# Allegro board 6089-103-RevA_73.brd (continued)
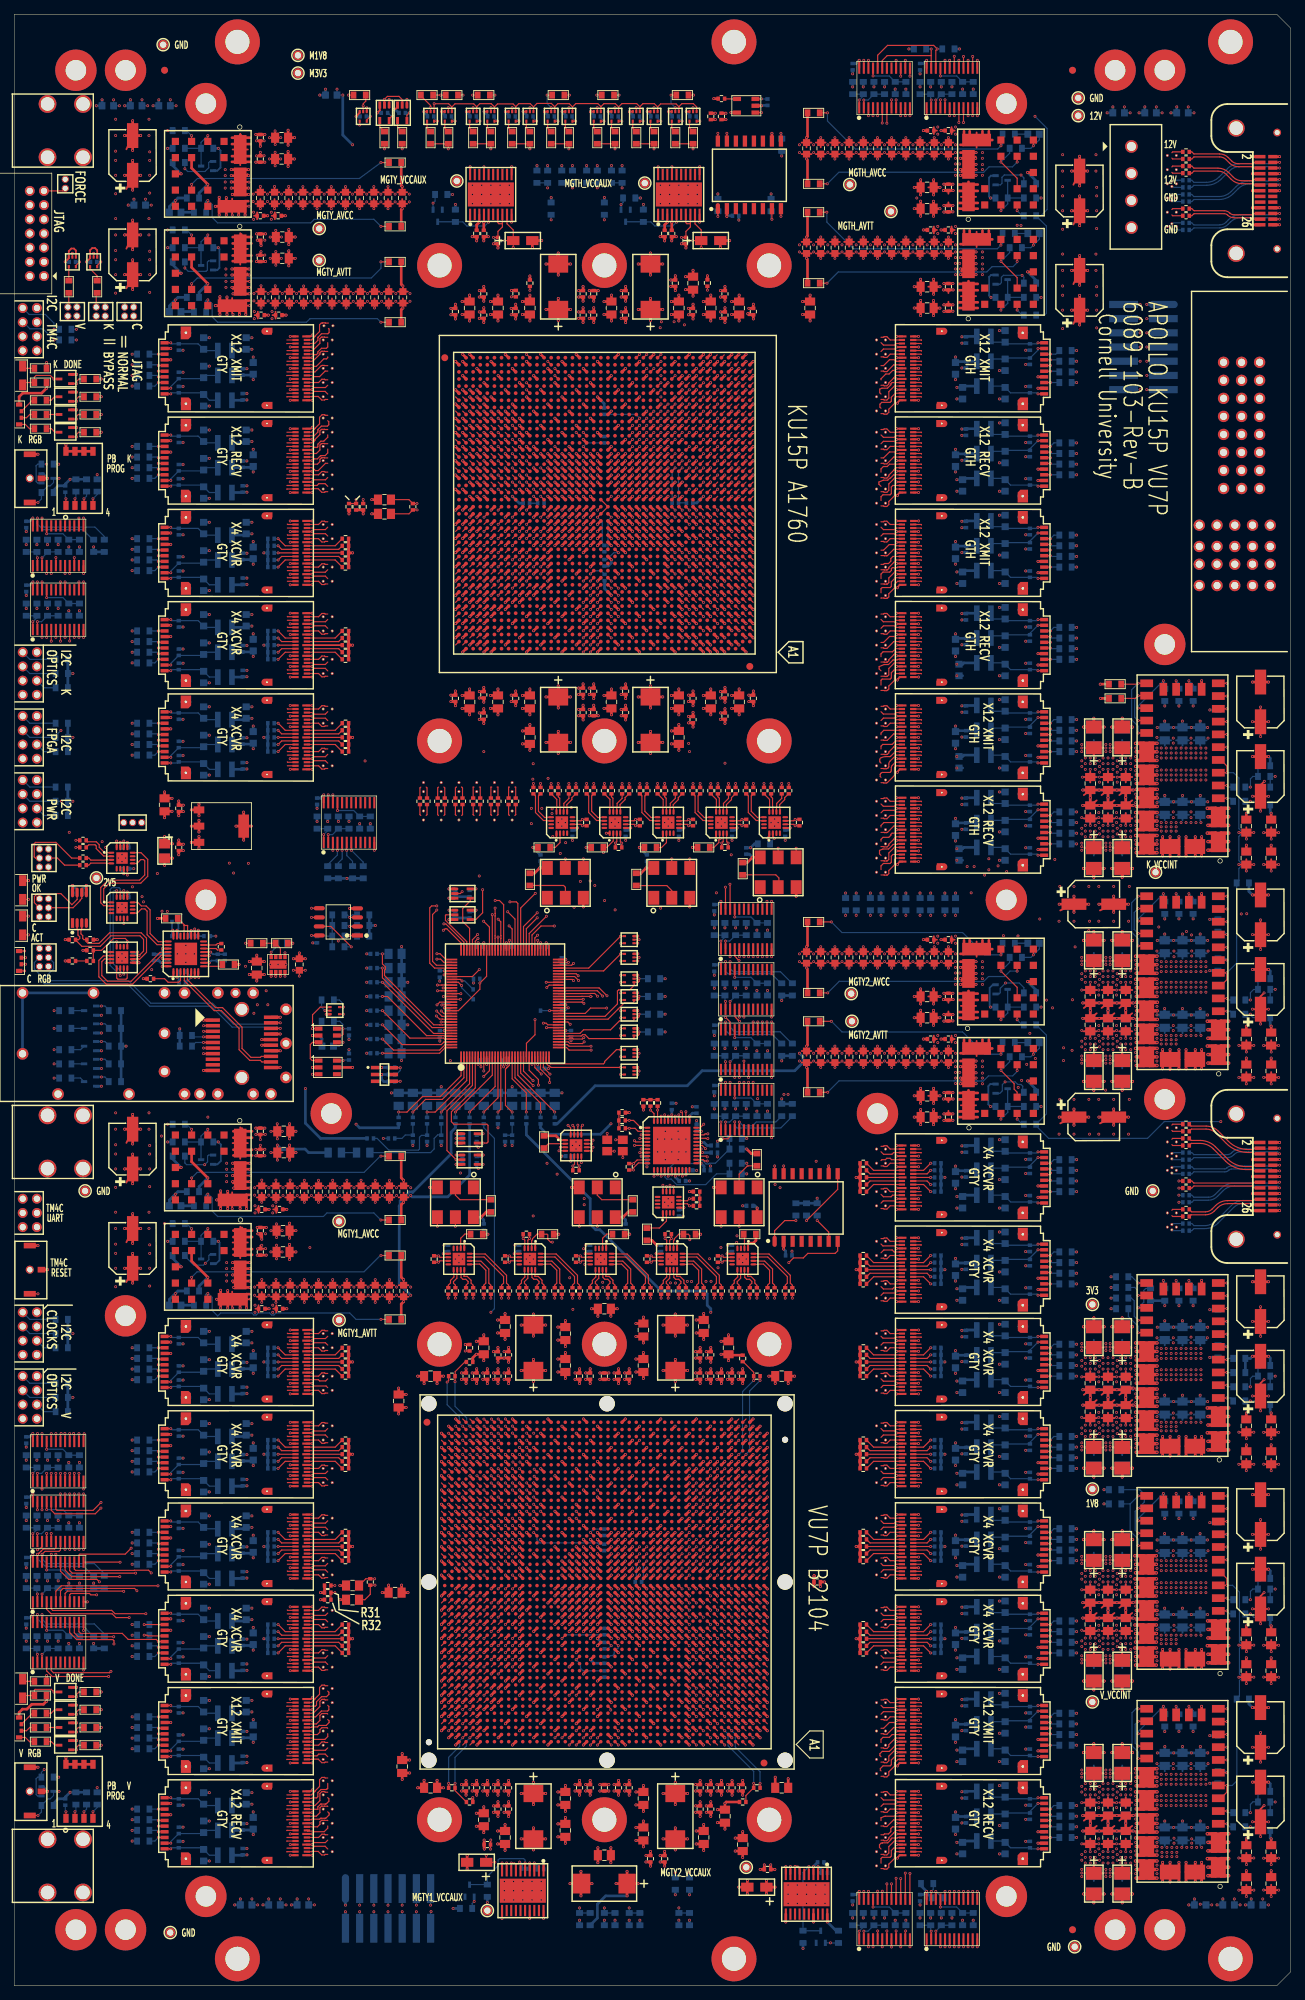
[diagram p0: board, top side]
## Routing (per net, layer and track width the routed paths; a pad name or vN(x,y) marks a point on that pad's centre or on a via; arc(x,y) is an arc through that point) (continued)
 44.84,84.28 ; VA27.3 44.84,83.52 ; VA27.3 45.25,83.71 ; VA27.3 45.16,84.22 ; VA27.3 45.25,84.09 ; VA27.3 45.22,83.9 ; VA27.3 45.16,83.58 ; VA27.3 45.02,84.31 ; P1.P2-4 175.31,206.54 ; P1.P2-4 173.83,206.54 ; P1.P2-4 173.83,205.06 ; P1.P2-4 175.31,205.06 ; P1.P2-4 175.55,205.8 ; P1.P2-4 173.59,205.8 ; P1.P2-4 174.57,204.82 ; P1.P2-4 174.57,206.78 ; VA88.3 123.25,182.71 ; VA88.3 123.22,182.9 ; VA88.3 123.02,183.31 ; VA88.3 123.25,183.09 ; VA88.3 122.83,182.52 ; VA88.3 122.83,183.28 ; VA88.3 123.16,183.22 ; VA88.3 123.16,182.58 ; 148.83,6.17 PM23.1 ; PM23.1 148.62,5.5 ; PM23.1 150.38,5.5 ; PM23.1 150.17,6.17 ; PM23.1 150.17,4.83 ; PM23.1 148.83,4.83 ; PM23.1 149.5,4.62 ; PM23.1 149.5,6.38 ; 43.56,41.52 43.56,41.9 ; 43.56,41.9 43.18,41.9 ; 43.56,41.9 43.38,41.49 ; 43.56,41.9 43.24,41.58 ; 43.56,41.9 43.24,42.22 ; 43.56,41.9 43.15,42.09 ; 43.56,41.9 43.56,42.28 ; 43.56,41.9 43.15,41.71 ; 163.84,249.9 164.25,250.09 ; 163.84,249.9 164.22,249.9 ; 163.84,249.9 163.84,250.28 ; 163.84,249.9 164.16,250.22 ; 163.84,249.9 164.02,250.31 ; 163.84,249.9 164.25,249.71 ; 163.84,249.9 164.16,249.58 ; 163.84,249.9 163.84,249.52 ; 162.38,108.49 VA147.4 ; VA147.4 162.56,108.52 ; VA147.4 162.24,108.58 ; VA147.4 162.18,108.9 ; VA147.4 162.15,109.09 ; VA147.4 162.56,109.28 ; VA147.4 162.15,108.71 ; VA147.4 162.24,109.22 ; 121.38,227.49 VA67.4 ; VA67.4 121.56,228.28 ; VA67.4 121.56,227.52 ; VA67.4 121.24,228.22 ; VA67.4 121.18,227.9 ; VA67.4 121.15,228.09 ; VA67.4 121.15,227.71 ; VA67.4 121.24,227.58 ; 162.15,258.09 VA137.4 ; VA137.4 162.56,257.52 ; VA137.4 162.24,257.58 ; VA137.4 162.56,258.28 ; VA137.4 162.38,257.49 ; VA137.4 162.15,257.71 ; VA137.4 162.18,257.9 ; VA137.4 162.24,258.22 ; 122.83,18.52 VA135.3 ; VA135.3 123.25,19.09 ; VA135.3 123.22,18.9 ; VA135.3 123.25,18.71 ; VA135.3 123.16,19.22 ; VA135.3 123.02,19.31 ; VA135.3 123.16,18.58 ; VA135.3 122.83,19.28 ; VA87.3 123.02,185.31 ; VA87.3 123.25,184.71 ; VA87.3 123.16,185.22 ; VA87.3 122.83,185.28 ; VA87.3 123.22,184.9 ; VA87.3 123.25,185.09 ; VA87.3 123.16,184.58 ; VA87.3 122.83,184.52 ; 57.51,163.85 57.7,164.26 ; 57.7,164.26 57.7,163.88 ; 57.7,164.26 57.38,163.94 ; 57.7,164.26 58.08,164.26 ; 57.7,164.26 57.32,164.26 ; 57.7,164.26 58.02,163.94 ; 57.7,164.26 57.29,164.08 ; 57.7,164.26 58.11,164.08 ; VA110.4 123.25,90.09 ; VA110.4 123.25,89.71 ; VA110.4 122.83,90.28 ; VA110.4 123.16,89.58 ; VA110.4 123.22,89.9 ; VA110.4 123.02,90.31 ; VA110.4 122.83,89.52 ; VA110.4 123.16,90.22 ; VA66.3 123.25,230.09 ; VA66.3 123.02,230.31 ; VA66.3 123.16,229.58 ; VA66.3 123.16,230.22 ; VA66.3 122.83,230.28 ; VA66.3 122.83,229.52 ; VA66.3 123.22,229.9 ; VA66.3 123.25,229.71 ; P1.16 173.77,228.01 ; P1.16 173.77,229.49 ; P1.16 173.03,227.77 ; P1.16 174.01,228.75 ; P1.16 172.29,228.01 ; P1.16 173.03,229.73 ; P1.16 172.29,229.49 ; P1.16 172.05,228.75 ; VA134.3 123.16,20.58 ; VA134.3 122.83,20.52 ; VA134.3 122.83,21.28 ; VA134.3 123.02,21.31 ; VA134.3 123.22,20.9 ; VA134.3 123.16,21.22 ; VA134.3 123.25,21.09 ; VA134.3 123.25,20.71 ; 157.5,246.67 157.5,247.74 ; 157.5,247.74 158.31,248.54 ; 157.5,247.74 158.57,247.74 ; 157.5,247.74 156.69,248.54 ; 157.5,247.74 156.69,246.93 ; 157.5,247.74 157.5,248.8 ; 157.5,247.74 156.43,247.74 ; 157.5,247.74 158.31,246.93 ; VA70.3 123.02,222.31 ; VA70.3 122.83,222.28 ; VA70.3 123.25,222.09 ; VA70.3 122.83,221.52 ; VA70.3 123.16,222.22 ; VA70.3 123.22,221.9 ; VA70.3 123.16,221.58 ; VA70.3 123.25,221.71 ; VA36.4 45.16,52.58 ; VA36.4 45.16,53.22 ; VA36.4 45.22,52.9 ; VA36.4 44.84,53.28 ; VA36.4 45.25,52.71 ; VA36.4 45.25,53.09 ; VA36.4 44.84,52.52 ; VA36.4 45.02,53.31 ; P1.11 173.77,215.31 ; P1.11 173.03,215.07 ; P1.11 173.77,216.79 ; P1.11 172.29,216.79 ; P1.11 174.01,216.05 ; P1.11 173.03,217.03 ; P1.11 172.05,216.05 ; P1.11 172.29,215.31 ; 121.56,203.52 VA78.4 ; VA78.4 121.38,203.49 ; VA78.4 121.56,204.28 ; VA78.4 121.24,203.58 ; VA78.4 121.15,203.71 ; VA78.4 121.24,204.22 ; VA78.4 121.15,204.09 ; VA78.4 121.18,203.9 ; 163.84,108.9 164.25,108.71 ; 163.84,108.9 164.16,108.58 ; 163.84,108.9 164.16,109.22 ; 163.84,108.9 163.84,109.28 ; 163.84,108.9 163.84,108.52 ; 163.84,108.9 164.25,109.09 ; 163.84,108.9 164.22,108.9 ; 163.84,108.9 164.02,109.31 ; 69.79,169.72 VA63.4 ; VA63.4 70.52,169.86 ; VA63.4 69.82,169.53 ; VA63.4 70.39,169.95 ; VA63.4 70.58,169.53 ; VA63.4 70.61,169.72 ; VA63.4 69.88,169.86 ; VA63.4 70.2,169.92 ; VA118.4 123.22,63.9 ; VA118.4 123.02,64.31 ; VA118.4 123.16,64.22 ; VA118.4 122.83,63.52 ; VA118.4 123.25,64.09 ; VA118.4 123.25,63.71 ; VA118.4 122.83,64.28 ; VA118.4 123.16,63.58 ; VA108.4 121.56,97.28 ; VA108.4 121.38,96.49 ; VA108.4 121.15,97.09 ; VA108.4 121.56,96.52 ; VA108.4 121.15,96.71 ; VA108.4 121.24,97.22 ; VA108.4 121.24,96.58 ; VA108.4 121.18,96.9 ; 43.24,65.58 43.56,65.9 ; 43.56,65.9 43.18,65.9 ; 43.56,65.9 43.56,66.28 ; 43.56,65.9 43.24,66.22 ; 43.56,65.9 43.56,65.52 ; 43.56,65.9 43.15,66.09 ; 43.56,65.9 43.38,65.49 ; 43.56,65.9 43.15,65.71 ; VA77.3 123.25,205.71 ; VA77.3 122.83,205.52 ; VA77.3 123.16,205.58 ; VA77.3 123.25,206.09 ; VA77.3 123.16,206.22 ; VA77.3 123.02,206.31 ; VA77.3 122.83,206.28 ; VA77.3 123.22,205.9 ; 122.83,190.52 VA84.3 ; VA84.3 123.25,190.71 ; VA84.3 123.16,191.22 ; VA84.3 123.25,191.09 ; VA84.3 123.22,190.9 ; VA84.3 123.02,191.31 ; VA84.3 123.16,190.58 ; VA84.3 122.83,191.28 ; 43.15,213.09 43.56,212.9 ; 43.56,212.9 43.56,213.28 ; 43.56,212.9 43.56,212.52 ; 43.56,212.9 43.24,212.58 ; 43.56,212.9 43.15,212.71 ; 43.56,212.9 43.24,213.22 ; 43.56,212.9 43.38,212.49 ; 43.56,212.9 43.18,212.9 ; 141.25,79.9 U113.G2 ; U113.G2 142.19,80.84 ; U113.G2 141.47,79.18 ; U113.G2 142.19,78.96 ; U113.G2 141.47,80.62 ; U113.G2 142.91,80.62 ; U113.G2 142.91,79.18 ; U113.G2 141.79,78.97 ; P1.P2-3 174.57,203.78 ; P1.P2-3 175.31,203.54 ; P1.P2-3 173.83,203.54 ; P1.P2-3 173.59,202.8 ; P1.P2-3 175.55,202.8 ; P1.P2-3 175.31,202.06 ; P1.P2-3 173.83,202.06 ; P1.P2-3 174.57,201.82 ; VA130.4 121.56,30.28 ; VA130.4 121.18,29.9 ; VA130.4 121.38,29.49 ; VA130.4 121.24,30.22 ; VA130.4 121.24,29.58 ; VA130.4 121.15,29.71 ; VA130.4 121.15,30.09 ; VA130.4 121.56,29.52 ; VA9.4 45.22,214.9 ; VA9.4 45.25,215.09 ; VA9.4 45.02,215.31 ; VA9.4 44.84,215.28 ; VA9.4 45.16,214.58 ; VA9.4 45.16,215.22 ; VA9.4 44.84,214.52 ; VA9.4 45.25,214.71 ; 65.2,164.26 65.58,164.26 ; 65.2,164.26 65.61,164.08 ; 65.2,164.26 64.88,163.94 ; 65.2,164.26 65.52,163.94 ; 65.2,164.26 65.01,163.85 ; 65.2,164.26 64.79,164.08 ; 65.2,164.26 65.2,163.88 ; 65.2,164.26 64.82,164.26 ; 3.32,250.9 J1.11 ; J1.11 4.87,250.23 ; J1.11 4.2,250.02 ; J1.11 4.2,251.78 ; J1.11 3.53,251.57 ; J1.11 5.08,250.9 ; J1.11 4.87,251.57 ; J1.11 3.53,250.23 ; VA67.3 123.02,228.31 ; VA67.3 123.16,228.22 ; VA67.3 123.22,227.9 ; VA67.3 123.25,228.09 ; VA67.3 122.83,228.28 ; VA67.3 123.16,227.58 ; VA67.3 123.25,227.71 ; VA67.3 122.83,227.52 ; 121.15,182.71 VA88.4 ; VA88.4 121.24,183.22 ; VA88.4 121.38,182.49 ; VA88.4 121.15,183.09 ; VA88.4 121.18,182.9 ; VA88.4 121.56,182.52 ; VA88.4 121.56,183.28 ; VA88.4 121.24,182.58 ; 121.38,221.49 VA70.4 ; VA70.4 121.15,221.71 ; VA70.4 121.24,221.58 ; VA70.4 121.56,221.52 ; VA70.4 121.18,221.9 ; VA70.4 121.56,222.28 ; VA70.4 121.24,222.22 ; VA70.4 121.15,222.09 ; 121.18,188.9 VA85.4 ; VA85.4 121.56,188.52 ; VA85.4 121.56,189.28 ; VA85.4 121.15,189.09 ; VA85.4 121.15,188.71 ; VA85.4 121.38,188.49 ; VA85.4 121.24,189.22 ; VA85.4 121.24,188.58 ; U21.G1 24.93,220.62 ; U21.G1 23.49,220.62 ; U21.G1 24.93,219.18 ; U21.G1 23.49,219.18 ; U21.G1 23.81,218.97 ; U21.G1 25.15,219.9 ; U21.G1 24.21,220.84 ; U21.G1 24.21,218.96 ; 121.24,99.22 VA107.4 ; VA107.4 121.15,98.71 ; VA107.4 121.38,98.49 ; VA107.4 121.15,99.09 ; VA107.4 121.56,98.52 ; VA107.4 121.24,98.58 ; VA107.4 121.56,99.28 ; VA107.4 121.18,98.9 ; VA79.3 123.02,202.31 ; VA79.3 122.83,201.52 ; VA79.3 123.25,201.71 ; VA79.3 123.16,202.22 ; VA79.3 122.83,202.28 ; VA79.3 123.22,201.9 ; VA79.3 123.16,201.58 ; VA79.3 123.25,202.09 ; 142.19,182.96 U107.G1 ; U107.G1 141.79,182.97 ; U107.G1 142.19,184.84 ; U107.G1 141.47,183.18 ; U107.G1 141.47,184.62 ; U107.G1 142.91,183.18 ; U107.G1 142.91,184.62 ; U107.G1 141.25,183.9 ; VA65.3 123.16,231.58 ; VA65.3 123.02,232.31 ; VA65.3 122.83,232.28 ; VA65.3 123.16,232.22 ; VA65.3 123.25,231.71 ; VA65.3 123.22,231.9 ; VA65.3 123.25,232.09 ; VA65.3 122.83,231.52 ; 43.56,205.52 43.56,205.9 ; 43.56,205.9 43.15,206.09 ; 43.56,205.9 43.38,205.49 ; 43.56,205.9 43.15,205.71 ; 43.56,205.9 43.24,205.58 ; 43.56,205.9 43.24,206.22 ; 43.56,205.9 43.18,205.9 ; 43.56,205.9 43.56,206.28 ; 44.84,41.52 VA40.4 ; VA40.4 45.22,41.9 ; VA40.4 45.02,42.31 ; VA40.4 44.84,42.28 ; VA40.4 45.16,41.58 ; VA40.4 45.25,42.09 ; VA40.4 45.25,41.71 ; VA40.4 45.16,42.22 ; VA108.3 123.16,96.58 ; VA108.3 123.25,96.71 ; VA108.3 123.22,96.9 ; VA108.3 122.83,96.52 ; VA108.3 123.02,97.31 ; VA108.3 122.83,97.28 ; VA108.3 123.16,97.22 ; VA108.3 123.25,97.09 ; 121.24,224.22 VA69.4 ; VA69.4 121.18,223.9 ; VA69.4 121.15,224.09 ; VA69.4 121.24,223.58 ; VA69.4 121.56,223.52 ; VA69.4 121.38,223.49 ; VA69.4 121.15,223.71 ; VA69.4 121.56,224.28 ; 121.24,46.58 VA123.4 ; VA123.4 121.18,46.9 ; VA123.4 121.15,47.09 ; VA123.4 121.15,46.71 ; VA123.4 121.56,47.28 ; VA123.4 121.56,46.52 ; VA123.4 121.38,46.49 ; VA123.4 121.24,47.22 ; VA68.3 123.25,225.71 ; VA68.3 122.83,226.28 ; VA68.3 123.16,226.22 ; VA68.3 123.22,225.9 ; VA68.3 123.25,226.09 ; VA68.3 123.02,226.31 ; VA68.3 123.16,225.58 ; VA68.3 122.83,225.52 ; VA60.4 65.61,165.72 ; VA60.4 65.58,165.53 ; VA60.4 65.52,165.86 ; VA60.4 64.79,165.72 ; VA60.4 64.88,165.86 ; VA60.4 64.82,165.53 ; VA60.4 65.2,165.92 ; VA60.4 65.39,165.95 ; 121.15,170.09 VA94.4 ; VA94.4 121.24,170.22 ; VA94.4 121.15,169.71 ; VA94.4 121.56,169.52 ; VA94.4 121.18,169.9 ; VA94.4 121.56,170.28 ; VA94.4 121.24,169.58 ; VA94.4 121.38,169.49 ; 121.18,39.9 VA125.4 ; VA125.4 121.24,40.22 ; VA125.4 121.24,39.58 ; VA125.4 121.56,39.52 ; VA125.4 121.15,40.09 ; VA125.4 121.15,39.71 ; VA125.4 121.56,40.28 ; VA125.4 121.38,39.49 ; 142.19,42.96 U115.G1 ; U115.G1 142.19,44.84 ; U115.G1 141.79,42.97 ; U115.G1 141.25,43.9 ; U115.G1 141.47,43.18 ; U115.G1 142.91,44.62 ; U115.G1 142.91,43.18 ; U115.G1 141.47,44.62 ; 162.56,251.52 VA140.4 ; VA140.4 162.38,251.49 ; VA140.4 162.15,251.71 ; VA140.4 162.24,251.58 ; VA140.4 162.24,252.22 ; VA140.4 162.15,252.09 ; VA140.4 162.18,251.9 ; VA140.4 162.56,252.28 ; 6.18,124.77 6.18,125.65 ; 6.18,125.65 7.06,125.65 ; 6.18,125.65 6.85,126.32 ; 6.18,125.65 5.3,125.65 ; 6.18,125.65 6.18,126.53 ; 6.18,125.65 6.85,124.98 ; 6.18,125.65 5.51,124.98 ; 6.18,125.65 5.51,126.32 ; U20.G1 25.15,232.9 ; U20.G1 24.21,233.84 ; U20.G1 24.93,232.18 ; U20.G1 23.49,233.62 ; U20.G1 24.21,231.96 ; U20.G1 24.93,233.62 ; U20.G1 23.81,231.97 ; U20.G1 23.49,232.18 ; 10,111.12 PM25.1 ; PM25.1 10.88,112 ; PM25.1 10.67,112.67 ; PM25.1 10,112.88 ; PM25.1 9.33,112.67 ; PM25.1 9.33,111.33 ; PM25.1 10.67,111.33 ; PM25.1 9.12,112 ; 172.05,226.21 P1.15 ; P1.15 173.03,227.19 ; P1.15 173.77,226.95 ; P1.15 174.01,226.21 ; P1.15 173.03,225.23 ; P1.15 172.29,225.47 ; P1.15 172.29,226.95 ; P1.15 173.77,225.47 ; U13.28 28.71,126.65 ; U13.28 29.47,124.89 ; U13.28 27.95,126.41 ; U13.28 27.71,125.65 ; U13.28 27.95,124.89 ; U13.28 29.47,126.41 ; U13.28 28.71,124.65 ; U13.28 29.71,125.65 ; 43.38,192.49 43.56,192.9 ; 43.56,192.9 43.15,192.71 ; 43.56,192.9 43.24,192.58 ; 43.56,192.9 43.18,192.9 ; 43.56,192.9 43.24,193.22 ; 43.56,192.9 43.15,193.09 ; 43.56,192.9 43.56,193.28 ; 43.56,192.9 43.56,192.52 ; 121.24,213.22 VA74.4 ; VA74.4 121.56,212.52 ; VA74.4 121.38,212.49 ; VA74.4 121.56,213.28 ; VA74.4 121.24,212.58 ; VA74.4 121.15,212.71 ; VA74.4 121.18,212.9 ; VA74.4 121.15,213.09 ; 43.56,89.52 43.56,89.9 ; 43.56,89.9 43.56,90.28 ; 43.56,89.9 43.15,89.71 ; 43.56,89.9 43.24,89.58 ; 43.56,89.9 43.18,89.9 ; 43.56,89.9 43.24,90.22 ; 43.56,89.9 43.15,90.09 ; 43.56,89.9 43.38,89.49 ; 43.56,44.9 43.56,45.28 ; 43.56,44.9 43.15,45.09 ; 43.56,44.9 43.38,44.49 ; 43.56,44.9 43.56,44.52 ; 43.56,44.9 43.18,44.9 ; 43.56,44.9 43.15,44.71 ; 43.56,44.9 43.24,45.22 ; 43.56,44.9 43.24,44.58 ; 122.83,24.52 VA132.3 ; VA132.3 122.83,25.28 ; VA132.3 123.16,24.58 ; VA132.3 123.25,24.71 ; VA132.3 123.22,24.9 ; VA132.3 123.16,25.22 ; VA132.3 123.02,25.31 ; VA132.3 123.25,25.09 ; 121.24,217.22 VA72.4 ; VA72.4 121.15,217.09 ; VA72.4 121.24,216.58 ; VA72.4 121.56,216.52 ; VA72.4 121.56,217.28 ; VA72.4 121.38,216.49 ; VA72.4 121.18,216.9 ; VA72.4 121.15,216.71 ; 121.24,38.22 VA126.4 ; VA126.4 121.24,37.58 ; VA126.4 121.56,37.52 ; VA126.4 121.18,37.9 ; VA126.4 121.56,38.28 ; VA126.4 121.15,37.71 ; VA126.4 121.15,38.09 ; VA126.4 121.38,37.49 ; 43.24,210.58 43.56,210.9 ; 43.56,210.9 43.15,211.09 ; 43.56,210.9 43.15,210.71 ; 43.56,210.9 43.18,210.9 ; 43.56,210.9 43.24,211.22 ; 43.56,210.9 43.38,210.49 ; 43.56,210.9 43.56,210.52 ; 43.56,210.9 43.56,211.28 ; VA109.4 123.22,91.9 ; VA109.4 123.02,92.31 ; VA109.4 122.83,91.52 ; VA109.4 122.83,92.28 ; VA109.4 123.25,91.71 ; VA109.4 123.16,91.58 ; VA109.4 123.16,92.22 ; VA109.4 123.25,92.09 ; VA25.4 45.22,89.9 ; VA25.4 45.25,89.71 ; VA25.4 45.16,89.58 ; VA25.4 44.84,89.52 ; VA25.4 45.25,90.09 ; VA25.4 45.16,90.22 ; VA25.4 44.84,90.28 ; VA25.4 45.02,90.31 ; VA48.4 44.84,25.28 ; VA48.4 45.16,24.58 ; VA48.4 45.22,24.9 ; VA48.4 45.16,25.22 ; VA48.4 44.84,24.52 ; VA48.4 45.25,24.71 ; VA48.4 45.25,25.09 ; VA48.4 45.02,25.31 ; VA96.3 123.25,164.71 ; VA96.3 123.25,165.09 ; VA96.3 123.02,165.31 ; VA96.3 122.83,165.28 ; VA96.3 123.22,164.9 ; VA96.3 123.16,165.22 ; VA96.3 123.16,164.58 ; VA96.3 122.83,164.52 ; VA81.3 123.22,197.9 ; VA81.3 123.25,197.71 ; VA81.3 122.83,197.52 ; VA81.3 123.25,198.09 ; VA81.3 123.16,198.22 ; VA81.3 123.16,197.58 ; VA81.3 122.83,198.28 ; VA81.3 123.02,198.31 ; 43.38,190.49 43.56,190.9 ; 43.56,190.9 43.56,190.52 ; 43.56,190.9 43.24,190.58 ; 43.56,190.9 43.24,191.22 ; 43.56,190.9 43.56,191.28 ; 43.56,190.9 43.18,190.9 ; 43.56,190.9 43.15,190.71 ; 43.56,190.9 43.15,191.09 ; 43.38,76.49 43.56,76.9 ; 43.56,76.9 43.56,76.52 ; 43.56,76.9 43.24,76.58 ; 43.56,76.9 43.24,77.22 ; 43.56,76.9 43.56,77.28 ; 43.56,76.9 43.18,76.9 ; 43.56,76.9 43.15,77.09 ; 43.56,76.9 43.15,76.71 ; 121.38,192.49 VA83.4 ; VA83.4 121.24,193.22 ; VA83.4 121.24,192.58 ; VA83.4 121.56,192.52 ; VA83.4 121.15,193.09 ; VA83.4 121.56,193.28 ; VA83.4 121.15,192.71 ; VA83.4 121.18,192.9 ; 70.2,163.88 70.2,164.26 ; 70.2,164.26 69.88,163.94 ; 70.2,164.26 69.82,164.26 ; 70.2,164.26 70.58,164.26 ; 70.2,164.26 70.01,163.85 ; 70.2,164.26 69.79,164.08 ; 70.2,164.26 70.61,164.08 ; 70.2,164.26 70.52,163.94 ; U117.G1 142.91,18.62 ; U117.G1 141.25,17.9 ; U117.G1 141.79,16.97 ; U117.G1 141.47,17.18 ; U117.G1 141.47,18.62 ; U117.G1 142.19,18.84 ; U117.G1 142.19,16.96 ; U117.G1 142.91,17.18 ; 3.2,181.02 J3.8 ; J3.8 4.08,181.9 ; J3.8 3.87,182.57 ; J3.8 2.53,181.23 ; J3.8 3.87,181.23 ; J3.8 3.2,182.78 ; J3.8 2.32,181.9 ; J3.8 2.53,182.57 ; U25.G2 25.15,82.9 ; U25.G2 24.93,83.62 ; U25.G2 24.21,83.84 ; U25.G2 23.49,83.62 ; U25.G2 23.81,81.97 ; U25.G2 23.49,82.18 ; U25.G2 24.93,82.18 ; U25.G2 24.21,81.96 ; P1.P2-8 169.57,206.78 ; P1.P2-8 170.31,205.06 ; P1.P2-8 168.59,205.8 ; P1.P2-8 170.31,206.54 ; P1.P2-8 169.57,204.82 ; P1.P2-8 168.83,205.06 ; P1.P2-8 170.55,205.8 ; P1.P2-8 168.83,206.54 ; 43.38,46.49 43.56,46.9 ; 43.56,46.9 43.24,47.22 ; 43.56,46.9 43.15,47.09 ; 43.56,46.9 43.18,46.9 ; 43.56,46.9 43.15,46.71 ; 43.56,46.9 43.56,46.52 ; 43.56,46.9 43.56,47.28 ; 43.56,46.9 43.24,46.58 ; PM22.1 150.67,266.67 ; PM22.1 150.67,265.33 ; PM22.1 149.33,266.67 ; PM22.1 149.33,265.33 ; PM22.1 149.12,266 ; PM22.1 150.88,266 ; PM22.1 150,266.88 ; PM22.1 150,265.12 ; 163.84,118.9 164.22,118.9 ; 163.84,118.9 164.16,118.58 ; 163.84,118.9 163.84,119.28 ; 163.84,118.9 164.25,118.71 ; 163.84,118.9 164.02,119.31 ; 163.84,118.9 163.84,118.52 ; 163.84,118.9 164.16,119.22 ; 163.84,118.9 164.25,119.09 ; VA100.3 123.25,157.09 ; VA100.3 123.25,156.71 ; VA100.3 123.16,156.58 ; VA100.3 123.22,156.9 ; VA100.3 123.02,157.31 ; VA100.3 122.83,157.28 ; VA100.3 122.83,156.52 ; VA100.3 123.16,157.22
  GND5 w0.254: 156.43,247.74 157.5,247.74 ; 157.5,247.74 156.69,248.54 ; 157.5,247.74 157.5,248.8 ; 157.5,247.74 158.31,248.54 ; 157.5,247.74 158.57,247.74 ; 157.5,247.74 157.5,246.67 ; 157.5,247.74 158.31,246.93 ; 157.5,247.74 156.69,246.93 ; U105.G2 142.91,220.62 ; U105.G2 141.25,219.9 ; U105.G2 142.19,218.96 ; U105.G2 141.79,218.97 ; U105.G2 142.91,219.18 ; U105.G2 142.19,220.84 ; U105.G2 141.47,219.18 ; U105.G2 141.47,220.62 ; J12.1 7.2,255.22 ; J12.1 6.51,254.53 ; J12.1 7.74,255.07 ; J12.1 6.66,254 ; J12.1 7.5,255.23 ; J12.1 7.74,254 ; J12.1 6.66,255.07 ; J12.1 7.89,254.53 ; U30.G1 24.21,28.84 ; U30.G1 24.93,27.18 ; U30.G1 23.81,26.97 ; U30.G1 25.15,27.9 ; U30.G1 23.49,28.62 ; U30.G1 24.93,28.62 ; U30.G1 23.49,27.18 ; U30.G1 24.21,26.96 ; 121.15,228.09 VA67.4 ; VA67.4 121.56,227.52 ; VA67.4 121.38,227.49 ; VA67.4 121.18,227.9 ; VA67.4 121.24,227.58 ; VA67.4 121.15,227.71 ; VA67.4 121.56,228.28 ; VA67.4 121.24,228.22 ; 2.53,229.73 J2.8 ; J2.8 4.08,230.4 ; J2.8 3.87,229.73 ; J2.8 2.53,231.07 ; J2.8 2.32,230.4 ; J2.8 3.2,229.52 ; J2.8 3.2,231.28 ; J2.8 3.87,231.07 ; 121.24,90.22 VA110.3 ; VA110.3 121.18,89.9 ; VA110.3 121.56,89.52 ; VA110.3 121.56,90.28 ; VA110.3 121.38,89.49 ; VA110.3 121.15,89.71 ; VA110.3 121.15,90.09 ; VA110.3 121.24,89.58 ; VA125.4 121.56,40.28 ; VA125.4 121.24,39.58 ; VA125.4 121.15,39.71 ; VA125.4 121.38,39.49 ; VA125.4 121.18,39.9 ; VA125.4 121.15,40.09 ; VA125.4 121.24,40.22 ; VA125.4 121.56,39.52 ; 43.38,210.49 43.56,210.9 ; 43.56,210.9 43.18,210.9 ; 43.56,210.9 43.24,211.22 ; 43.56,210.9 43.15,210.71 ; 43.56,210.9 43.56,210.52 ; 43.56,210.9 43.15,211.09 ; 43.56,210.9 43.56,211.28 ; 43.56,210.9 43.24,210.58 ; 43.56,199.9 43.56,200.28 ; 43.56,199.9 43.56,199.52 ; 43.56,199.9 43.15,199.71 ; 43.56,199.9 43.24,200.22 ; 43.56,199.9 43.15,200.09 ; 43.56,199.9 43.24,199.58 ; 43.56,199.9 43.18,199.9 ; 43.56,199.9 43.38,199.49 ; 43.56,203.52 43.56,203.9 ; 43.56,203.9 43.15,204.09 ; 43.56,203.9 43.38,203.49 ; 43.56,203.9 43.24,204.22 ; 43.56,203.9 43.15,203.71 ; 43.56,203.9 43.18,203.9 ; 43.56,203.9 43.24,203.58 ; 43.56,203.9 43.56,204.28 ; 23.49,233.62 U20.G1 ; U20.G1 24.93,232.18 ; U20.G1 23.81,231.97 ; U20.G1 24.93,233.62 ; U20.G1 24.21,231.96 ; U20.G1 24.21,233.84 ; U20.G1 25.15,232.9 ; U20.G1 23.49,232.18 ; 121.18,91.9 VA109.3 ; VA109.3 121.15,92.09 ; VA109.3 121.56,92.28 ; VA109.3 121.15,91.71 ; VA109.3 121.56,91.52 ; VA109.3 121.24,91.58 ; VA109.3 121.24,92.22 ; VA109.3 121.38,91.49 ; 38.31,131.78 U13.24 ; U13.24 37.55,133.55 ; U13.24 39.32,132.79 ; U13.24 37.31,132.79 ; U13.24 37.55,132.03 ; U13.24 39.07,133.55 ; U13.24 39.07,132.03 ; U13.24 38.31,133.79 ; U27.G1 24.93,67.62 ; U27.G1 23.81,65.97 ; U27.G1 24.93,66.18 ; U27.G1 24.21,67.84 ; U27.G1 24.21,65.96 ; U27.G1 25.15,66.9 ; U27.G1 23.49,66.18 ; U27.G1 23.49,67.62 ; U13.29 26.2,126.53 ; U13.29 25.53,124.98 ; U13.29 27.07,125.65 ; U13.29 26.87,126.32 ; U13.29 26.87,124.98 ; U13.29 26.2,124.77 ; U13.29 25.53,126.32 ; U13.29 25.32,125.65 ; 44.94,233.9 45.26,234.22 ; 44.94,233.9 45.35,233.71 ; 44.94,233.9 45.32,233.9 ; 44.94,233.9 45.12,234.31 ; 44.94,233.9 45.26,233.58 ; 44.94,233.9 45.35,234.09 ; 44.94,233.9 44.94,233.52 ; 44.94,233.9 44.94,234.28 ; VA131.3 123.16,27.22 ; VA131.3 123.25,26.71 ; VA131.3 123.02,27.31 ; VA131.3 123.16,26.58 ; VA131.3 122.83,27.28 ; VA131.3 122.83,26.52 ; VA131.3 123.22,26.9 ; VA131.3 123.25,27.09 ; 23.49,41.62 U29.G1 ; U29.G1 24.21,39.96 ; U29.G1 24.93,41.62 ; U29.G1 23.49,40.18 ; U29.G1 24.21,41.84 ; U29.G1 25.15,40.9 ; U29.G1 24.93,40.18 ; U29.G1 23.81,39.97 ; 43.15,197.71 43.56,197.9 ; 43.56,197.9 43.38,197.49 ; 43.56,197.9 43.15,198.09 ; 43.56,197.9 43.56,198.28 ; 43.56,197.9 43.24,198.22 ; 43.56,197.9 43.56,197.52 ; 43.56,197.9 43.18,197.9 ; 43.56,197.9 43.24,197.58 ; 43.56,72.9 43.56,73.28 ; 43.56,72.9 43.38,72.49 ; 43.56,72.9 43.56,72.52 ; 43.56,72.9 43.24,73.22 ; 43.56,72.9 43.15,72.71 ; 43.56,72.9 43.24,72.58 ; 43.56,72.9 43.15,73.09 ; 43.56,72.9 43.18,72.9 ; 122.83,160.52 VA98.3 ; VA98.3 123.16,160.58 ; VA98.3 123.02,161.31 ; VA98.3 123.25,161.09 ; VA98.3 123.16,161.22 ; VA98.3 123.25,160.71 ; VA98.3 122.83,161.28 ; VA98.3 123.22,160.9 ; U110.G2 142.91,119.62 ; U110.G2 142.91,118.18 ; U110.G2 141.47,119.62 ; U110.G2 141.25,118.9 ; U110.G2 142.19,117.96 ; U110.G2 141.79,117.97 ; U110.G2 142.19,119.84 ; U110.G2 141.47,118.18 ; 121.24,63.58 VA118.3 ; VA118.3 121.15,64.09 ; VA118.3 121.24,64.22 ; VA118.3 121.56,64.28 ; VA118.3 121.18,63.9 ; VA118.3 121.38,63.49 ; VA118.3 121.56,63.52 ; VA118.3 121.15,63.71 ; 172.05,216.05 P1.11 ; P1.11 173.03,217.03 ; P1.11 173.03,215.07 ; P1.11 173.77,216.79 ; P1.11 172.29,216.79 ; P1.11 174.01,216.05 ; P1.11 173.77,215.31 ; P1.11 172.29,215.31 ; 163.84,247.9 164.02,248.31 ; 163.84,247.9 164.16,248.22 ; 163.84,247.9 164.16,247.58 ; 163.84,247.9 163.84,247.52 ; 163.84,247.9 164.25,247.71 ; 163.84,247.9 164.25,248.09 ; 163.84,247.9 163.84,248.28 ; 163.84,247.9 164.22,247.9 ; 43.24,217.22 43.56,216.9 ; 43.56,216.9 43.15,216.71 ; 43.56,216.9 43.56,216.52 ; 43.56,216.9 43.18,216.9 ; 43.56,216.9 43.38,216.49 ; 43.56,216.9 43.24,216.58 ; 43.56,216.9 43.15,217.09 ; 43.56,216.9 43.56,217.28 ; VA67.3 123.02,228.31 ; VA67.3 123.22,227.9 ; VA67.3 123.25,228.09 ; VA67.3 122.83,228.28 ; VA67.3 123.25,227.71 ; VA67.3 122.83,227.52 ; VA67.3 123.16,227.58 ; VA67.3 123.16,228.22 ; VA96.3 123.25,164.71 ; VA96.3 122.83,164.52 ; VA96.3 123.16,165.22 ; VA96.3 122.83,165.28 ; VA96.3 123.02,165.31 ; VA96.3 123.22,164.9 ; VA96.3 123.25,165.09 ; VA96.3 123.16,164.58 ; VA128.3 122.83,34.28 ; VA128.3 123.16,33.58 ; VA128.3 123.02,34.31 ; VA128.3 123.22,33.9 ; VA128.3 123.16,34.22 ; VA128.3 122.83,33.52 ; VA128.3 123.25,34.09 ; VA128.3 123.25,33.71 ; 121.15,51.09 VA122.3 ; VA122.3 121.38,50.49 ; VA122.3 121.56,50.52 ; VA122.3 121.15,50.71 ; VA122.3 121.24,50.58 ; VA122.3 121.18,50.9 ; VA122.3 121.56,51.28 ; VA122.3 121.24,51.22 ; U13.38 21.86,139.23 ; U13.38 20.52,139.23 ; U13.38 22.07,139.9 ; U13.38 20.52,140.57 ; U13.38 21.19,140.78 ; U13.38 21.19,139.02 ; U13.38 21.86,140.57 ; U13.38 20.32,139.9 ; 121.15,170.09 VA94.4 ; VA94.4 121.56,170.28 ; VA94.4 121.56,169.52 ; VA94.4 121.15,169.71 ; VA94.4 121.24,170.22 ; VA94.4 121.24,169.58 ; VA94.4 121.18,169.9 ; VA94.4 121.38,169.49 ; 43.56,214.9 43.56,215.28 ; 43.56,214.9 43.15,214.71 ; 43.56,214.9 43.24,215.22 ; 43.56,214.9 43.38,214.49 ; 43.56,214.9 43.56,214.52 ; 43.56,214.9 43.15,215.09 ; 43.56,214.9 43.18,214.9 ; 43.56,214.9 43.24,214.58 ; 4.2,250.02 J1.11 ; J1.11 4.2,251.78 ; J1.11 4.87,251.57 ; J1.11 3.32,250.9 ; J1.11 3.53,251.57 ; J1.11 5.08,250.9 ; J1.11 3.53,250.23 ; J1.11 4.87,250.23 ; VA75.3 123.22,210.9 ; VA75.3 123.16,211.22 ; VA75.3 123.02,211.31 ; VA75.3 122.83,210.52 ; VA75.3 123.25,210.71 ; VA75.3 123.16,210.58 ; VA75.3 122.83,211.28 ; VA75.3 123.25,211.09 ; VA94.3 123.16,169.58 ; VA94.3 123.25,170.09 ; VA94.3 123.25,169.71 ; VA94.3 123.16,170.22 ; VA94.3 123.02,170.31 ; VA94.3 123.22,169.9 ; VA94.3 122.83,169.52 ; VA94.3 122.83,170.28 ; 150,265.12 PM22.1 ; PM22.1 150.67,266.67 ; PM22.1 150.67,265.33 ; PM22.1 150,266.88 ; PM22.1 149.33,266.67 ; PM22.1 150.88,266 ; PM22.1 149.12,266 ; PM22.1 149.33,265.33 ; 121.15,192.71 VA83.4 ; VA83.4 121.38,192.49 ; VA83.4 121.18,192.9 ; VA83.4 121.56,192.52 ; VA83.4 121.24,193.22 ; VA83.4 121.24,192.58 ; VA83.4 121.56,193.28 ; VA83.4 121.15,193.09 ; 121.15,212.71 VA74.4 ; VA74.4 121.24,212.58 ; VA74.4 121.38,212.49 ; VA74.4 121.18,212.9 ; VA74.4 121.56,212.52 ; VA74.4 121.24,213.22 ; VA74.4 121.56,213.28 ; VA74.4 121.15,213.09 ; 121.18,179.9 VA89.4 ; VA89.4 121.56,179.52 ; VA89.4 121.24,180.22 ; VA89.4 121.38,179.49 ; VA89.4 121.56,180.28 ; VA89.4 121.15,179.71 ; VA89.4 121.15,180.09 ; VA89.4 121.24,179.58 ; 57.7,163.88 57.7,164.26 ; 57.7,164.26 58.11,164.08 ; 57.7,164.26 57.38,163.94 ; 57.7,164.26 58.02,163.94 ; 57.7,164.26 58.08,164.26 ; 57.7,164.26 57.29,164.08 ; 57.7,164.26 57.51,163.85 ; 57.7,164.26 57.32,164.26 ; 43.15,57.71 43.56,57.9 ; 43.56,57.9 43.24,57.58 ; 43.56,57.9 43.18,57.9 ; 43.56,57.9 43.24,58.22 ; 43.56,57.9 43.15,58.09 ; 43.56,57.9 43.56,57.52 ; 43.56,57.9 43.38,57.49 ; 43.56,57.9 43.56,58.28 ; 121.15,96.71 VA108.4 ; VA108.4 121.56,97.28 ; VA108.4 121.56,96.52 ; VA108.4 121.24,97.22 ; VA108.4 121.38,96.49 ; VA108.4 121.15,97.09 ; VA108.4 121.24,96.58 ; VA108.4 121.18,96.9 ; 122.83,85.52 VA111.3 ; VA111.3 123.16,85.58 ; VA111.3 123.25,85.71 ; VA111.3 122.83,86.28 ; VA111.3 123.25,86.09 ; VA111.3 123.02,86.31 ; VA111.3 123.22,85.9 ; VA111.3 123.16,86.22 ; U23.G2 24.93,183.18 ; U23.G2 24.21,184.84 ; U23.G2 24.21,182.96 ; U23.G2 23.81,182.97 ; U23.G2 25.15,183.9 ; U23.G2 23.49,184.62 ; U23.G2 24.93,184.62 ; U23.G2 23.49,183.18 ; VA50.4 45.25,21.09 ; VA50.4 45.25,20.71 ; VA50.4 45.02,21.31 ; VA50.4 45.22,20.9 ; VA50.4 44.84,20.52 ; VA50.4 44.84,21.28 ; VA50.4 45.16,20.58 ; VA50.4 45.16,21.22 ; 121.18,231.9 VA65.4 ; VA65.4 121.56,231.52 ; VA65.4 121.15,232.09 ; VA65.4 121.15,231.71 ; VA65.4 121.56,232.28 ; VA65.4 121.38,231.49 ; VA65.4 121.24,232.22 ; VA65.4 121.24,231.58 ; 44.84,231.52 VA1.4 ; VA1.4 45.25,232.09 ; VA1.4 44.84,232.28 ; VA1.4 45.02,232.31 ; VA1.4 45.16,232.22 ; VA1.4 45.25,231.71 ; VA1.4 45.22,231.9 ; VA1.4 45.16,231.58 ; 122.83,52.52 VA121.4 ; VA121.4 122.83,53.28 ; VA121.4 123.25,52.71 ; VA121.4 123.22,52.9 ; VA121.4 123.25,53.09 ; VA121.4 123.16,53.22 ; VA121.4 123.16,52.58 ; VA121.4 123.02,53.31 ; 43.56,37.52 43.56,37.9 ; 43.56,37.9 43.15,37.71 ; 43.56,37.9 43.38,37.49 ; 43.56,37.9 43.15,38.09 ; 43.56,37.